# KiCad board MIR.kicad_pcb
title: MIR; company: SRPOL; note: Author: Katarzyna Górska <k.gorska@samsung.com>; note: Copyright (c) 2018 Samsung Electronics Co., Ltd All Rights Reserved
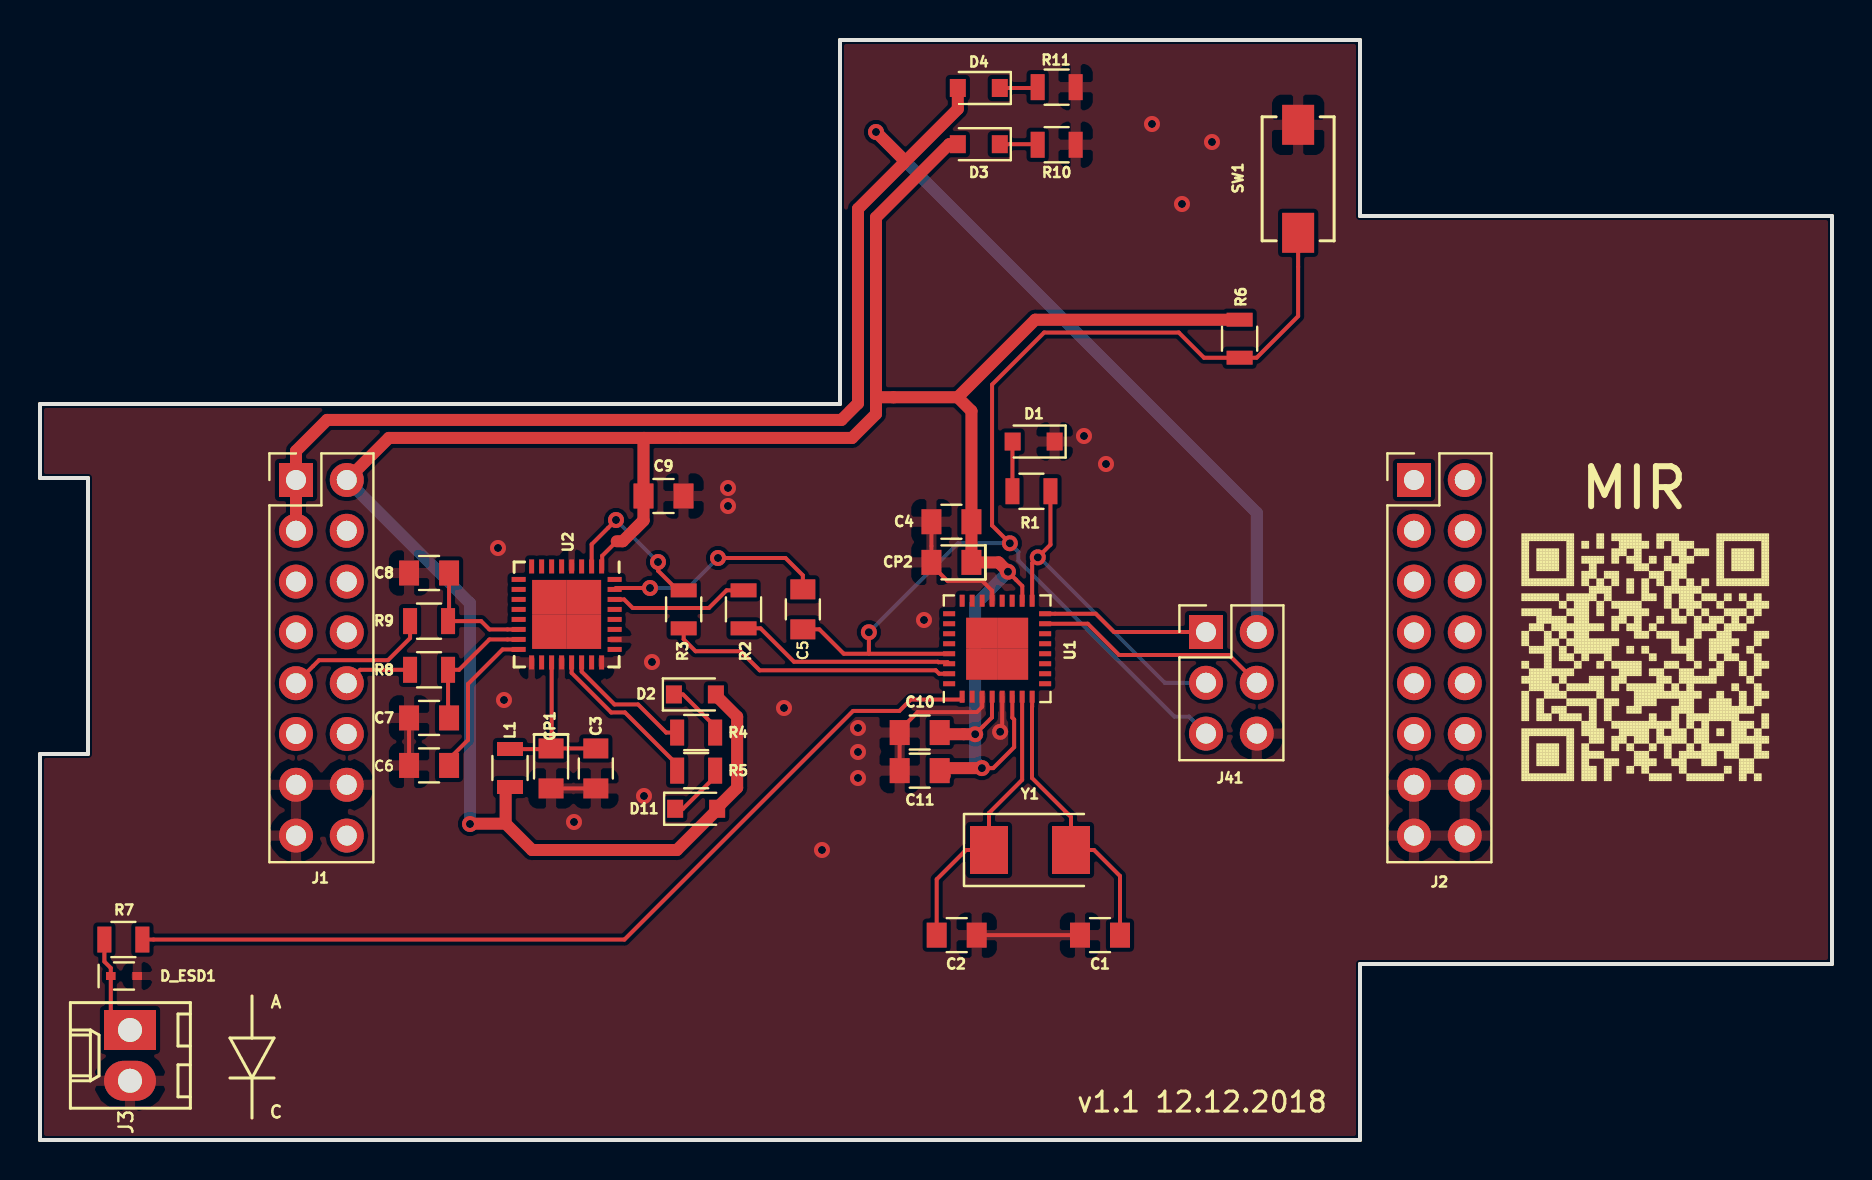
[diagram p0: board, top side]
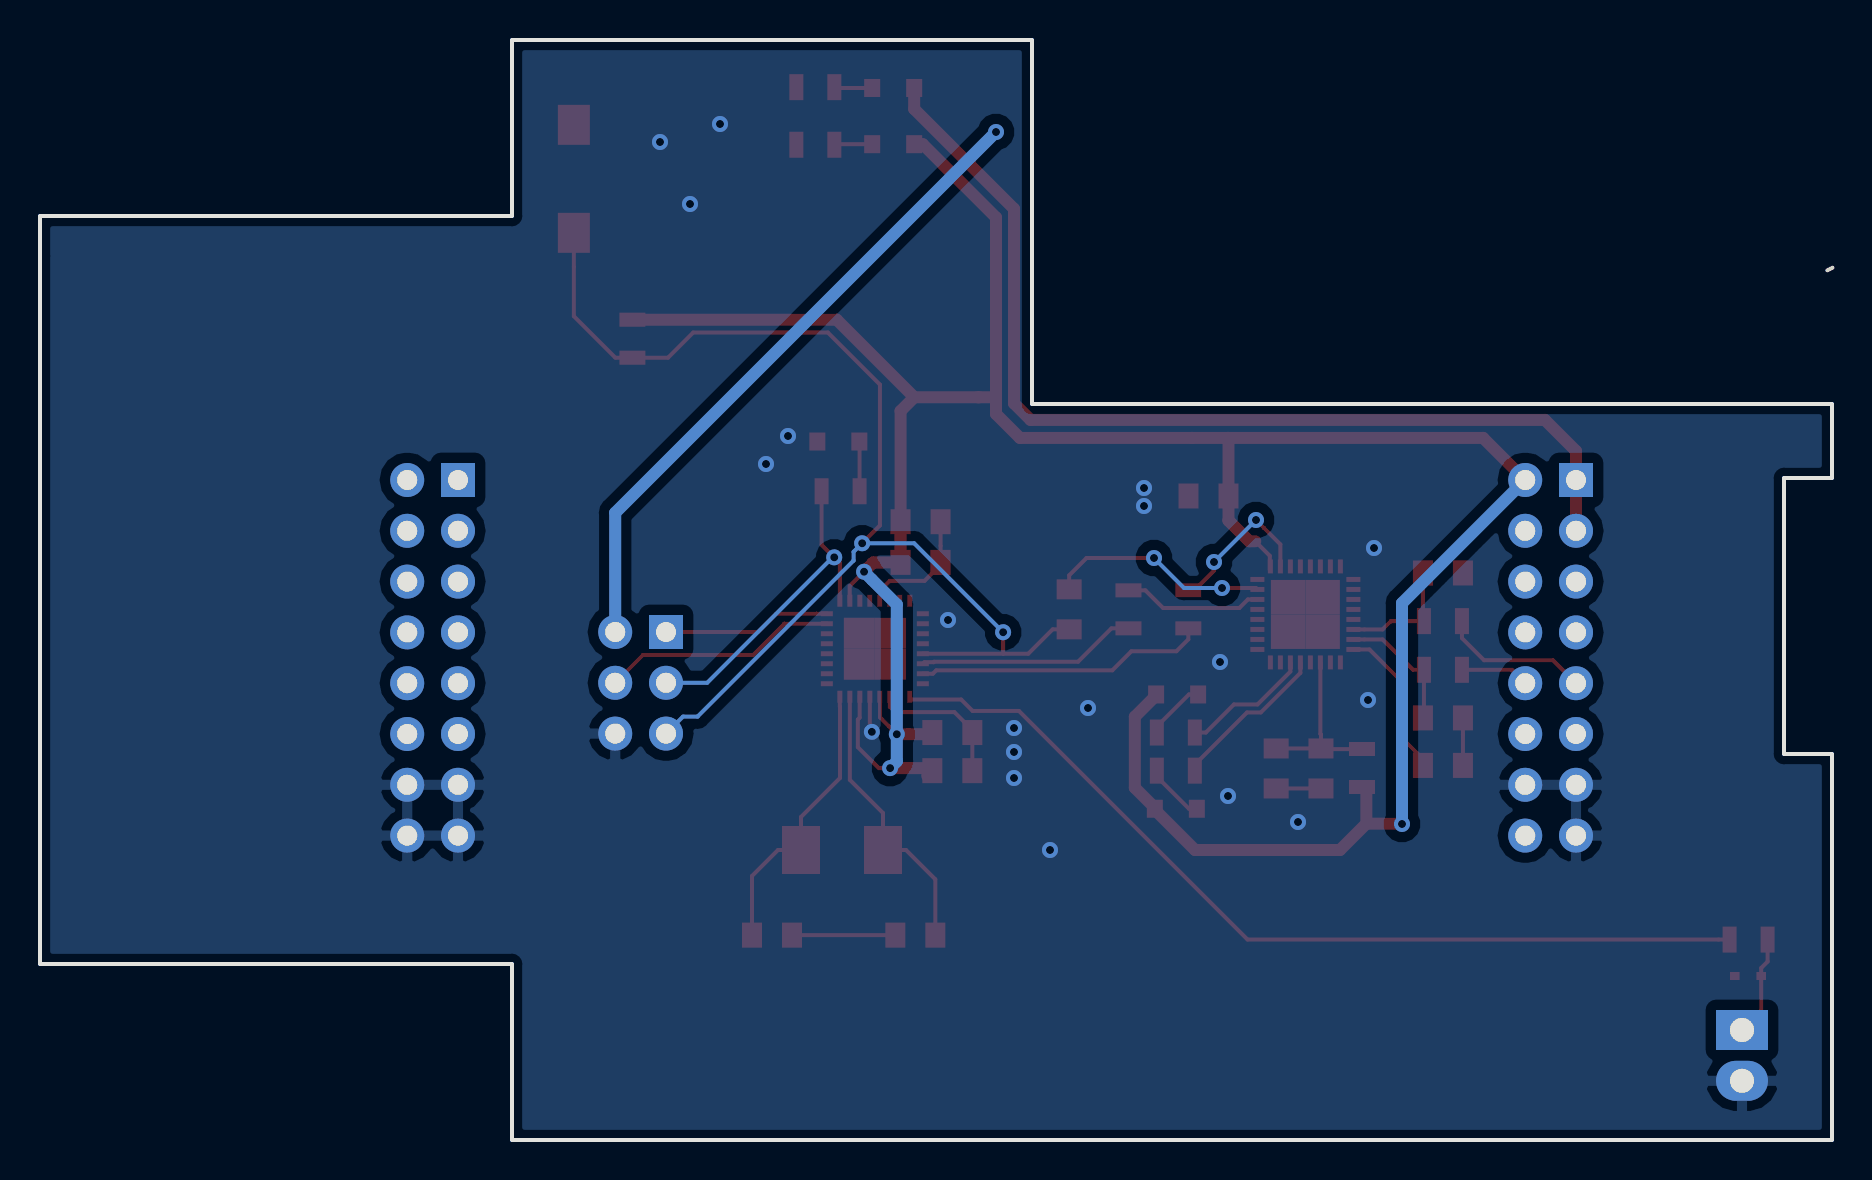
[diagram p1: board, bottom side, seen from below]

Outline 89.6 x 55 mm; copper layers: Top, Bottom. Coordinates in mm from the lower left corner of the outline.
Outline path: 0,36.8 40,36.8 40,55 66,55 66,46.2 89.6,46.2 89.6,8.8 66,8.8 66,0 0,0 0,19.3 2.4,19.3 2.4,33.1 0,33.1 0,36.8

## Placement (name value [footprint] x y rotation side)
C1  18pF  [C_0805]  53 10.24 180 top
C2  18pF  [C_0805]  45.84 10.24 0 top
C3  0.1uF  [C_0805]  27.79 18.58 270 top
C4  0.1uF  [C_0805]  45.57 30.91 180 top
C5  0.1uF  [C_0805]  38.14 26.53 270 top
C6  0.1uF  [C_0805]  19.45 18.73 0 top
C7  47pF  [C_0805]  19.45 21.1 180 top
C8  47pF  [C_0805]  19.45 28.35 0 top
C9  0.1uF  [C_0805]  31.18 32.2 0 top
C10  0.1uF  [C_0805]  43.98 20.37 180 top
C11  0.1uF  [C_0805]  43.98 18.47 180 top
CP1  4.7uF  [C_T_0805]  25.55 18.58 270 top
CP2  4.7uF  [C_T_0805]  45.57 28.88 180 top
D1  KPT-2012SGC  [D_0805]  49.68 34.92 180 top
D2  KPT-2012SGC  [D_0805]  32.74 22.28 0 top
D3  KPT-2012SGC  [D_0805]  46.94 49.79 180 top
D4  KPT-2012EC  [D_0805]  46.94 52.6 180 top
D5  LED_IR  [EXTERNAL ELEMENT]  40.15 31.65 0 top
D11  KPT-2012EC  [D_0805]  32.81 16.56 0 top
D_ESD1  ESD5B5.0S  [SOD-523]  4.2 8.2 0 top
J1  CONN_02X08  [Pin_Header_Straight_2x08_Pitch2.54mm]  12.8 33 0 top
J2  CONN_02X08  [Pin_Header_Straight_2x08_Pitch2.54mm]  68.7 33 0 top
J3  CONN_01X02  [Molex_KK-6410-02_02x2.54mm_Straight]  4.5 5.5 270 top
J41  CONN_02X03  [Pin_Header_Straight_2x03_Pitch2.54mm]  58.3 25.4 0 top
L1  BLM21PG221SN1D  [R_0805]  23.5 18.6 270 top
LOGO  -  [MIR-QRCODE]  72.8 31.6 0 top
R1  330R  [R_0805]  49.57 32.44 180 top
R2  1k  [R_0805]  35.18 26.53 270 top
R3  1k  [R_0805]  32.18 26.53 270 top
R4  330R  [R_0805]  32.81 20.37 0 top
R5  330R  [R_0805]  32.81 18.47 0 top
R6  1k1  [R_0805]  59.98 40.06 270 top
R7  330R  [R_0805]  4.17 10.02 0 top
R8  27R  [R_0805]  19.45 23.51 0 top
R9  27R  [R_0805]  19.45 25.94 0 top
R10  330R  [R_0805]  50.83 49.76 180 top
R11  330R  [R_0805]  50.83 52.64 180 top
SW1  SwitchPush  [DTSM-3]  62.91 48.06 270 top
U1  ATmega328P-MU  [WQFN-32-1EP_5x5mm_Pitch0.5mm]  47.86 24.56 90 top
U2  FT232RQ  [QFN-32-1EP_5x5mm_Pitch0.5mm]  26.33 26.28 270 top
Y1  16MHz  [Crystal_SMD_Abracon_ABM3-2pin_5.0x3.2mm_HandSoldering]  49.5 14.5 0 top

## Footprints (pads in the part's own frame, mm; a bottom-side part is the same pattern mirrored in y, then rotated)
C_0805
  rect 1x1.25 smd: 1(-1,0) 2(1,0)
C_T_0805
  rect 1x1.25 smd: 1(-1,0) 2(1,0)
Crystal_SMD_Abracon_ABM3-2pin_5.0x3.2mm_HandSoldering
  rect 1.9x2.4 smd: 1(-2.05,0) 2(2.05,0)
D_0805
  rect 0.8x0.9 smd: 1(-1.05,0) 2(1.05,0)
DTSM-3
  rect 2x1.6 smd: 1(-2.7,0) 2(2.7,0)
Molex_KK-6410-02_02x2.54mm_Straight
  rect 2x2.6 hole 1.2: 1(0,0)
  oval 2x2.6 hole 1.2: 2(2.54,0)
Pin_Header_Straight_2x03_Pitch2.54mm
  rect 1.7x1.7 hole 1: 1(0,0)
  oval 1.7x1.7 hole 1: 2(2.54,0) 3(0,-2.54) 4(2.54,-2.54) 5(0,-5.08) 6(2.54,-5.08)
Pin_Header_Straight_2x08_Pitch2.54mm
  rect 1.7x1.7 hole 1: 1(0,0)
  oval 1.7x1.7 hole 1: 2(2.54,0) 3(0,-2.54) 4(2.54,-2.54) 5(0,-5.08) 6(2.54,-5.08) 7(0,-7.62) 8(2.54,-7.62) 9(0,-10.16) 10(2.54,-10.16) 11(0,-12.7) 12(2.54,-12.7) 13(0,-15.24) 14(2.54,-15.24) 15(0,-17.78) 16(2.54,-17.78)
QFN-32-1EP_5x5mm_Pitch0.5mm
  rect 0.7x0.25 smd: 1(-2.4,1.75) 2(-2.4,1.25) 3(-2.4,0.75) 4(-2.4,0.25) 5(-2.4,-0.25) 6(-2.4,-0.75) 7(-2.4,-1.25) 8(-2.4,-1.75) 17(2.4,-1.75) 18(2.4,-1.25) 19(2.4,-0.75) 20(2.4,-0.25) 21(2.4,0.25) 22(2.4,0.75) 23(2.4,1.25) 24(2.4,1.75)
  rect 0.25x0.7 smd: 9(-1.75,-2.4) 10(-1.25,-2.4) 11(-0.75,-2.4) 12(-0.25,-2.4) 13(0.25,-2.4) 14(0.75,-2.4) 15(1.25,-2.4) 16(1.75,-2.4) 25(1.75,2.4) 26(1.25,2.4) 27(0.75,2.4) 28(0.25,2.4) 29(-0.25,2.4) 30(-0.75,2.4) 31(-1.25,2.4) 32(-1.75,2.4)
  rect 1.725x1.725 smd: 33(-0.863,0.863) 33(-0.863,-0.863) 33(0.863,0.863) 33(0.863,-0.863)
R_0805
  rect 0.7x1.3 smd: 1(-0.95,0) 2(0.95,0)
SOD-523
  rect 0.48x0.4 smd: 1(-0.66,0) 2(0.66,0)
WQFN-32-1EP_5x5mm_Pitch0.5mm
  rect 0.6x0.25 smd: 1(-2.4,1.75) 2(-2.4,1.25) 3(-2.4,0.75) 4(-2.4,0.25) 5(-2.4,-0.25) 6(-2.4,-0.75) 7(-2.4,-1.25) 8(-2.4,-1.75) 17(2.4,-1.75) 18(2.4,-1.25) 19(2.4,-0.75) 20(2.4,-0.25) 21(2.4,0.25) 22(2.4,0.75) 23(2.4,1.25) 24(2.4,1.75)
  rect 0.25x0.6 smd: 9(-1.75,-2.4) 10(-1.25,-2.4) 11(-0.75,-2.4) 12(-0.25,-2.4) 13(0.25,-2.4) 14(0.75,-2.4) 15(1.25,-2.4) 16(1.75,-2.4) 25(1.75,2.4) 26(1.25,2.4) 27(0.75,2.4) 28(0.25,2.4) 29(-0.25,2.4) 30(-0.75,2.4) 31(-1.25,2.4) 32(-1.75,2.4)
  rect 1.55x1.55 smd: 33(-0.775,0.775) 33(-0.775,-0.775) 33(0.775,0.775) 33(0.775,-0.775)

## Nets
+3V3: J1.4
+5V: D4.2 J1.1 J1.3 J41.2
GND: C1.2 C2.2 C3.2 C4.2 C6.1 C7.2 C8.1 C9.2 C10.2 C11.2 CP1.2 CP2.2 D1.1 D_ESD1.2 J1.13 J1.14 J1.15 J2.13 J2.14 J2.15 J2.16 J3.2 J41.6 R10.1 R11.1 SW1.1 U1.3 U1.5 U1.21 U2.4 U2.17 U2.20 U2.24 U2.26
VDD: C4.1 C9.1 C10.1 C11.1 CP2.1 D2.2 D3.2 D11.2 J1.2 L1.2 R6.1 U1.4 U1.6 U1.18 U2.1
/A0: U1.23
/A1: U1.24
/A2: U1.25
/A3: U1.26
/A4: U1.27
/A5: U1.28
/A6: U1.19
/A7: U1.22
/AREF: U1.20
/D0-RX: R2.2 U1.30
/D1-TX: R3.2 U1.31
/D2: U1.32
/D3: R7.2 U1.1
/D4: U1.2
/D5: U1.9
/D6: U1.10
/D7: U1.11
/D8: U1.12
/D9: U1.13
/D10: U1.14
/D11-MOSI: J41.4 U1.15
/D12-MISO: J41.1 U1.16
/D13-SCK: J41.3 R1.1 U1.17
/FT_VCC: C3.1 CP1.1 L1.1 U2.19
/PI_UART_RX: J1.8
/PI_UART_TX: J1.7
/RESET: C5.2 J41.5 R6.2 SW1.2 U1.29
/RX: R2.1 U2.30
/SCL: J1.6
/SDA: J1.5
/TX: R3.1 U2.2
/USB_A+: J1.11
/USB_A-: J1.12
/USB_B+: J1.9 R9.1
/USB_B-: J1.10 R8.1
Net-(C1-Pad1): C1.1 U1.8 Y1.2
Net-(C2-Pad1): C2.1 U1.7 Y1.1
Net-(C5-Pad1): C5.1 U2.31
Net-(C6-Pad2): C6.2 U2.16
Net-(C7-Pad1): C7.1 R8.2 U2.15
Net-(C8-Pad2): C8.2 R9.2 U2.14
Net-(D1-Pad2): D1.2 R1.2
Net-(D2-Pad1): D2.1 R4.2
Net-(D3-Pad1): D3.1 R10.2
Net-(D4-Pad1): D4.1 R11.2
Net-(D11-Pad1): D11.1 R5.2
Net-(D_ESD1-Pad1): D_ESD1.1 J3.1 R7.1
Net-(J1-Pad16): J1.16
Net-(J2-Pad1): J2.1
Net-(J2-Pad2): J2.2
Net-(J2-Pad3): J2.3
Net-(J2-Pad4): J2.4
Net-(J2-Pad5): J2.5
Net-(J2-Pad6): J2.6
Net-(J2-Pad7): J2.7
Net-(J2-Pad8): J2.8
Net-(J2-Pad9): J2.9
Net-(J2-Pad10): J2.10
Net-(J2-Pad11): J2.11
Net-(J2-Pad12): J2.12
Net-(R4-Pad1): R4.1 U2.22
Net-(R5-Pad1): R5.1 U2.21
Net-(U2-Pad3): U2.3
Net-(U2-Pad6): U2.6
Net-(U2-Pad7): U2.7
Net-(U2-Pad8): U2.8
Net-(U2-Pad9): U2.9
Net-(U2-Pad10): U2.10
Net-(U2-Pad11): U2.11
Net-(U2-Pad18): U2.18
Net-(U2-Pad27): U2.27
Net-(U2-Pad28): U2.28
Net-(U2-Pad32): U2.32

Pads without a net: U1 33; U2 5 12 13 23 25 29 33

## Via types
v1: diameter 0.8, hole 0.4, Top to Bottom, 31 vias

## Routing (per net, layer and track width the routed paths; a pad name or vN(x,y) marks a point on that pad's centre or on a via; arc(x,y) is an arc through that point)
+5V: length 86
  Top w0.6: 43.14,48.8 40.9,46.56 40.9,36.83 40.07,36 14.35,36 12.8,34.45 J1.1 J1.3 ; 43.14,48.8 43.14,49.06 v1(41.8,50.4) ; 43.14,48.8 45.89,51.55 D4.2
  Bottom w0.6: v1(41.8,50.4) 60.84,31.36 J41.2
GND: length 25.6
  Top w0.2: C4.2 CP2.2 44.57,28.76 45.37,27.96 47.11,27.96 47.61,27.46 U1.21 ; U1.5 48.11,20.45 ; 48.11,20.45 48.11,20.58 ; 48.11,20.45 48.07,20.41 v1(48.01,20.41) ; U1.3 47.11,21.66 46.84,21.39 43.88,21.39 42.98,20.5 C10.2 C11.2 ; 52.39,10.24 C2.2 ; C6.1 C7.2 ; 18.45,28.47 C8.1 ; CP1.2 C3.2
  vias: v1(22.9,29.6) v1(23.2,22) v1(26.7,15.9) v1(30.2,17.2) v1(30.6,23.9) v1(34.4,32.6) v1(34.4,31.7) v1(37.2,21.6) v1(39.1,14.5) v1(40.9,20.6) v1(40.9,19.4) v1(40.9,18.1) v1(44.2,26) v1(52.2,35.2) v1(53.3,33.8) v1(55.6,50.8) v1(57.1,46.8) v1(58.6,49.9)
VDD: length 147.7
  Top w0.2: 49.11,26.88 49.11,27.7 v1(48.4,28.41) ; 28.84,29.94 28.11,29.21 28.11,28.49 ; v1(46.76,20.29) 47.6,21.13 47.6,22.23 ; v1(47.1,18.59) 47.66,18.59 48.71,19.64 48.71,21.03 48.62,21.12 48.62,22.23
  Top w0.6: 23.28,15.82 21.52,15.82 v1(21.5,15.8) ; 23.28,15.82 24.6,14.5 31.85,14.5 33.86,16.51 D11.2 33.86,16.61 34.86,17.61 34.86,21.16 33.79,22.23 D2.2 ; 23.28,15.82 23.28,17.64 ; C10.1 45.07,20.29 v1(46.76,20.29) ; 30.2,35.1 17.44,35.1 J1.2 ; 30.2,35.1 40.6,35.1 41.8,36.3 41.8,37.2 ; 30.2,35.1 30.18,35.08 C9.1 30.18,30.97 ; 30.18,30.97 29.14,29.94 28.84,29.94 ; 30.18,30.97 29.7,30.5 ; 45.88,37.14 46.57,36.45 C4.1 CP2.1 47.93,28.88 v1(48.4,28.41) ; 45.88,37.14 49.76,41.01 R6.1 ; 45.88,37.14 41.86,37.14 41.8,37.2 ; 41.8,37.2 41.8,46.13 45.46,49.79 D3.2 ; 47.16,18.66 v1(47.1,18.59) 45.11,18.59 C11.1 45.24,18.21
  Bottom w0.6: J1.2 21.5,26.84 v1(21.5,15.8) ; v1(47.1,18.59) 46.76,18.93 v1(46.76,20.29) 46.76,26.77 v1(48.4,28.41)
/D0-RX: length 11
  Top w0.2: U1.30 45.38,23.89 44.92,23.89 44.89,23.91 37.7,23.91 36.03,25.58 R2.2
/D1-TX: length 14.5
  Top w0.2: R3.2 32.18,25.03 32.78,24.44 35.03,24.44 35.98,23.48 44.79,23.48 44.96,23.31 U1.31
/D3: length 46.1
  Top w0.2: U1.1 46.11,22.02 43.54,22.02 42.97,21.45 40.65,21.45 29.22,10.02 R7.2
/D11-MOSI: length 11.8
  Top w0.2: J41.4 59.45,24.25 53.95,24.25 52.39,25.81 U1.15
/D12-MISO: length 8.4
  Top w0.2: U1.16 52.79,26.31 53.7,25.4 J41.1
/D13-SCK: length 16.9
  Top w0.2: R1.1 50.52,29.77 v1(49.89,29.13) 49.61,28.85 U1.17
  Bottom w0.2: v1(49.89,29.13) 49.97,29.13 56.24,22.86 J41.3
/FT_VCC: length 8.8
  Top w0.2: CP1.1 25.55,20.28 25.58,20.31 U2.19 ; CP1.1 C3.1 ; CP1.1 25.52,19.54 23.28,19.54
/RESET: length 62
  Top w0.2: SW1.2 62.91,41.19 60.83,39.11 R6.2 58.2,39.11 56.94,40.38 50.21,40.38 47.6,37.77 47.6,30.73 v1(48.49,29.84) ; 41.44,24.31 v1(41.44,25.39) ; 41.44,24.31 40.19,24.31 38.97,25.53 C5.2 ; 41.44,24.31 U1.29
  Bottom w0.2: v1(41.44,25.39) 45.89,29.84 v1(48.49,29.84) 48.92,29.41 48.92,28.97 56.72,21.17 57.45,21.17 J41.5
/RX: length 7
  Top w0.2: U2.30 29.21,27.03 29.63,26.6 33.45,26.6 34.33,27.48 R2.1
/TX: length 7.9
  Top w0.2: U2.2 27.58,29.78 v1(28.8,31) ; v1(30.9,28.9) 30.9,28.47 31.88,27.48 R3.1
  Bottom w0.2: v1(30.9,28.9) v1(28.8,31)
/USB_B+: length 7.5
  Top w0.2: R9.1 18.5,25.09 17.4,23.99 13.95,23.99 J1.9
/USB_B-: length 3.5
  Top w0.2: 18.41,23.51 R8.1 16.01,23.51 J1.10
Net-(C1-Pad1): length 14.4
  Top w0.2: C1.1 54,13.2 52.7,14.5 Y1.2 51.55,16.15 49.6,18.1 49.6,21.66 49.61,21.66 U1.8
Net-(C2-Pad1): length 14.6
  Top w0.2: C2.1 44.84,13.03 46.3,14.5 Y1.1 ; Y1.1 47.45,14.25 ; Y1.1 47.45,16.35 49.11,18.01 U1.7
Net-(C5-Pad1): length 11.3
  Top w0.2: C5.1 38.14,28.23 37.27,29.1 v1(33.9,29.1) ; 28.73,27.53 U2.31 28.8,27.6 v1(30.5,27.6) 30.4,27.7
  Bottom w0.2: v1(30.5,27.6) 32.4,27.6 v1(33.9,29.1)
Net-(C6-Pad2): length 7.7
  Top w0.2: U2.16 23.13,24.53 21.4,22.8 21.4,20 20.45,19.05 C6.2
Net-(C7-Pad1): length 6.6
  Top w0.2: U2.15 22.47,25.03 20.95,23.51 R8.2 20.4,21.15 C7.1
Net-(C8-Pad2): length 6.2
  Top w0.2: R9.2 20.45,25.99 C8.2 ; R9.2 22.06,25.94 22.47,25.53 U2.14 ; R9.2 20.4,25.91
Net-(D1-Pad2): length 2.5
  Top w0.2: R1.2 48.62,34.91 D1.2
Net-(D2-Pad1): length 3
  Top w0.2: R4.2 33.76,20.67 32.15,22.28 D2.1
Net-(D3-Pad1): length 1.9
  Top w0.2: D3.1 49.85,49.79 R10.2
Net-(D4-Pad1): length 1.9
  Top w0.2: D4.1 49.84,52.6 R11.2
Net-(D11-Pad1): length 3
  Top w0.2: R5.2 33.76,18.17 32.15,16.56 D11.1
Net-(D_ESD1-Pad1): length 5.1
  Top w0.2: R7.1 3.22,8.92 3.54,8.6 D_ESD1.1 3.54,6.46 J3.1
Net-(R4-Pad1): length 6.5
  Top w0.2: R4.1 31.31,20.37 29.9,21.78 28.72,21.78 27.08,23.42 U2.22
Net-(R5-Pad1): length 8
  Top w0.2: R5.1 31.86,18.77 29.25,21.38 28.56,21.38 26.58,23.36 U2.21

## Copper pours and planes (outline as drawn; the poured copper is in the pictures)
GND on Top: 0,55 66,55 66,46.2 89.6,46.2 89.6,8.8 66,8.8 66,0 0,0
GND on Bottom: 0,55 66,55 66,46.2 89.6,46.2 89.6,8.8 66,8.8 66,0 0,0

## Text on the board
F.SilkS: A | C | v1.1 12.12.2018 | MIR
